# KiCad board TRS80IJP_1.kicad_pcb (continued)
## Routing (per net, layer and track width the routed paths; a pad name or vN(x,y) marks a point on that pad's centre or on a via; arc(x,y) is an arc through that point) (continued)
-5V: length 455.4
  Top w0.25: v1(180.83,142.18) 180.83,149.94 181.84,150.95 181.84,161.23 179.8,163.27 FAN1.2
  Top w1.5: 297.73,117.63 297.73,118.33 296,120.06 ; 297.73,117.63 297.73,119.95 297.62,120.06 ; 297.73,117.63 297.73,118.09 299.7,120.06 300.19,120.06 ; C7.2 72.95,139.92 72.7,140.17 65.95,140.17 65.18,139.4 C6.2 ; Z17.1 243.1,118.27 241.31,120.06 ; Z17.1 243.1,118.23 244.93,120.06 ; Z17.1 243.1,119.63 243.53,120.06 ; 268.36,120.06 269.78,118.64 Z19.1 269.78,118.22 271.62,120.06 ; 281.97,120.06 281.97,119.48 Z20.1 283.82,118.45 285.43,120.06 ; Z22.1 313.02,119.92 312.88,120.06 ; 229.62,120.06 231.67,118.01 Z16.1 231.67,118.44 233.29,120.06 ; 255.98,120.06 254.5,118.58 Z18.1 254.5,118.66 253.1,120.06 ; 214.85,120.06 215.09,120.06 216.59,118.56 Z15.1 216.59,118.19 218.46,120.06
  Top w2: v1(185.94,137.57) 185.94,137.64 185.94,128.66 186.54,128.06 202.23,128.06 202.54,127.75 202.54,120.77 203.32,119.99 208.76,119.99 209.73,120.96 213.95,120.96 214.85,120.06 ; 312.88,120.06 215.09,120.06
  Bottom w1.5: Z22.1 313.02,126.66 C37.2 ; Z18.1 254.5,122.39 254.51,122.4 253.46,123.45 C31.2 ; Z16.1 231.67,121.95 231.62,122 231.65,121.92 C28.2 ; Z20.1 283.78,118.5 282.27,120.75 282.27,126.33 C34.2 ; C6.2 64.17,138.9 R12.2
  Bottom w3: C7.2 CR3.2 75.52,132.76 C8.2 81.56,135.76 107.36,135.89 109.8,135.91 110.2,158.39 111.39,159.58 125.49,159.58 126.6,158.47 126.6,137.54 127.4,136.74 157.97,136.74 163.35,142.12 185.62,142.12 185.94,141.8 v1(185.94,134.9)
/RAM/V0: length 90.8
  Top w0.25: Z10.5 130.21,107.47 128.99,106.25 120.9,106.25 119.67,107.48 118.96,107.48 118.95,107.47 Z9.5 117.31,107.39 v1(106.04,107.39)
  Bottom w0.25: v1(106.04,107.39) 106.91,106.52 106.91,53.03 106.79,52.91 106.79,46.8 Z36.9
/RAM/V1: length 80
  Top w0.25: Z10.6 130.3,104.93 128.98,103.61 123.59,103.61 122.27,104.93 Z9.6 111.03,104.81 110.04,104.82 104.67,104.82 v1(103.33,103.48)
  Bottom w0.25: Z36.4 102.36,57.05 102.38,57.05 102.47,57.14 102.47,89.66 102.82,90.01 102.82,102.97 v1(103.33,103.48)
/RAM/V2: length 80.7
  Top w0.25: v1(105.34,52.93) 105.4,52.87 Z36.12 ; Z10.7 130.27,102.39 129.38,101.5 127.59,101.5 127.21,101.12 121.04,101.12 119.77,102.39 Z9.7 106.73,102.39 v1(105.32,100.98)
  Bottom w0.25: v1(105.32,100.98) 106.2,100.1 106.2,84.01 106.21,84 106.21,53.8 v1(105.34,52.93)
/RAM/V3: length 94
  Top w0.25: v1(104.72,109.98) 104.75,110.01 Z9.4 119.45,110.01 120.72,108.74 128.74,108.74 130.01,110.01 Z10.4
  Bottom w0.25: v1(104.72,109.98) 104.21,109.47 104.21,106.25 105.68,104.78 105.68,103.56 103.76,101.64 103.76,89.48 103.28,89 103.28,54.43 102.85,54 102.85,49.92 Z36.7
/RAM/V4: length 62.7
  Top w0.25: v1(112.38,112.4) 112.53,112.4 112.78,112.15 116.6,112.15 117,112.55 Z9.3 119.81,112.55 121.18,111.18 128.77,111.18 130.14,112.55 Z10.3
  Bottom w0.25: Z29.9 110.31,75 110.31,75.94 109.95,76.3 109.95,95.58 111.25,96.88 111.25,107.27 112.39,108.41 112.39,112.39 v1(112.38,112.4)
/RAM/V5: length 63.5
  Top w0.25: v1(111.44,84.65) 104.91,84.65 103.52,83.26 102.43,83.26 102.36,83.33 Z29.4 ; Z10.2 130.07,115.09 128.8,113.82 121.16,113.82 119.89,115.09 Z9.2
  Bottom w0.25: Z9.2 114.02,115.09 113.48,114.55 113.48,113.04 114.17,112.35 114.17,108.76 112.08,106.67 112.08,95.95 110.7,94.57 110.7,85.39 v1(111.44,84.65)
/RAM/V6: length 39.1
  Top w0.25: Z10.1 129.79,117.63 128.5,116.34 121.88,116.34 120.59,117.63 Z9.1 113.23,117.63 v1(113.22,117.62)
  Bottom w0.25: Z8.9 108.82,101.5 109.28,101.5 110.39,102.61 110.39,107.53 110.93,108.07 110.93,113.68 113.22,115.97 v1(113.22,117.62)
/RAM/V7: length 39.3
  Top w0.25: Z10.17 138.95,116.31 129.94,116.31 128.75,115.1 128.42,115.09 Z9.17 121.04,115.09 119.86,116.27 115.89,116.27 115.72,116.1 111.21,116.1 v1(111.05,116.26)
  Bottom w0.25: Z8.12 110.1,110.4 110.1,115.31 v1(111.05,116.26)
/RAM/V8: length 43.3
  Top w0.25: Z8.4 104.6,115.06 110.04,115.06 110.28,114.82 113.71,114.82 114.1,115.21 115.21,115.21 116.68,113.74 120.06,113.74 121.3,112.56 121.49,112.55 Z9.16 128.76,112.55 130.01,113.8 138.92,113.8 Z10.16
/RAM/V9: length 48.7
  Top w0.25: v1(104.06,112.49) 109.75,112.49 111.33,110.91 115.71,110.91 116.07,111.27 119.59,111.27 120.95,109.91 124.18,109.91 124.28,110.01 Z9.15 128.9,110.01 130.13,111.24 134.95,111.24 136.3,110.02 136.4,110.01 Z10.15
  Bottom w0.25: v1(104.06,112.49) 103.17,111.6 103.17,106.01 Z8.7
GND: length 1780.8
  Top w0.25: Z40.7 162.97,50.15 161.85,50.15 157.09,54.91 157.09,57.36 157.55,57.82 157.55,59.67 156.73,60.49 Z39.15 155.44,60.48 154.46,60.48 151.91,63.03 Z39.1 ; Z27.15 78,88.39 78.31,88.7 v1(83.26,88.7) ; 71.82,71.77 71.69,71.77 Z27.8 69.36,72.06 68.99,72.06 ; v1(318.59,122.76) 320.56,124.73 333.1,124.73 v1(333.89,123.94) ; Z23.19 338.05,120.3 334.07,120.3 v1(333.88,120.49) ; Z49.10 345.94,43.33 346.47,42.8 v1(357.11,42.8) ; 163.06,47.95 163.07,47.94 ; Z66.15 297.59,34.99 v1(297.92,34.66) ; 51.27,103.67 51.22,103.62
  Top w1: Z58.3 Z57.14 Z57.3 ; C20.1 51.99,115.56 51.99,111.41 49.43,110 49.44,104.59 51.27,103.67 ; v1(75.41,57.48) 74.94,57.95 Z34.3 66.55,57.95 C52.1
  Top w1.5: 40.99,45.27 39.91,46.35 Z32.7 39.91,46.2 38.95,45.24 ; C68.1 265.88,17.93 265.89,17.92 ; Z48.29 337.9,36.3 338.03,36.17 ; Z48.29 335.6,35.93 338.39,33.58 ; Z48.29 335.7,36.3 336.44,37.04 337.72,37.04 337.75,37.01 ; v1(382.64,169.01) v1(382.64,170.99) ; Z36.15 113.47,56.98 C53.1 ; 363.54,165.69 365.32,167.47 v1(365.32,168.78) 365.32,167.18 366.7,165.8 ; 40.99,98.63 39.87,99.75 Z4.8 39.87,99.69 38.98,98.8 ; 133.49,42.71 132.72,43.48 Z38.9 132.72,43.77 131.59,42.64 ; 274.88,172.27 274.79,172.27 R25.2 ; 30.88,103.55 30.88,98.82 30.87,98.81 ; 298.6,47.93 300.21,48.69 Z47.7 ; 56.77,100.86 55.15,102.48 Z5.7 55.15,99.76 54.23,98.84 ; 162.25,17.61 163.26,18.62 Z59.8 163.26,18.47 164.06,17.67 ; 275.95,166.99 274.83,165.87 R27.1 274.65,165.86 275.95,164.52 ; 275.95,166.99 275.95,170.66 ; 275.95,166.99 275.95,164.52 ; Z13.15 187.63,115.09 C26.1 ; 275.95,170.66 275.68,170.93 R25.2 ; 275.95,170.66 275.95,173.44 275.94,173.43 R24.2 273.46,170.94 R25.2 ; 84.77,17.56 85.58,18.37 Z54.7 85.58,18.34 86.49,17.43 ; 51.2,100.48 51.2,99.79 52.17,98.82 ; 51.2,100.48 51.2,99.92 50.1,98.82 ; 51.2,100.48 51.22,103.62 ; 51.2,100.48 51.19,98.62 ; 51.2,100.48 51.2,99.67 ; v1(104.78,88.41) 104.79,88.41 Z29.15 108.49,88.42 C45.1 ; 118.6,42.57 117.42,43.75 Z37.9 117.42,43.77 116.24,42.59 ; C14.2 275.92,159.49 275.94,159.47 275.95,159.48 275.95,164.52 ; 146.91,15.02 147.73,15.84 Z58.8 147.73,15.8 148.72,14.81 ; 10.88,17.04 9.25,18.67 Z50.7 9.25,18.64 8.23,17.62 ; 23.79,45.33 24.58,46.12 Z31.7 24.58,46.45 25.75,45.28 ; 55.92,17.34 55.02,18.24 Z52.7 55.02,18.36 54.12,17.46 ; 255.77,19.06 254.44,20.39 254.44,22.32 254.44,20.59 253.23,19.38 ; C1.2 5.24,127.82 5.15,127.91 ; Z36.8 100.72,44.15 100.73,44.14 ; 65.44,101.3 66.53,102.39 C22.1 66.53,102.36 67.73,101.16 ; 284.15,17.47 285.1,18.42 Z66.8 285.1,18.15 286.04,17.21 ; 54,45.12 55.12,46.24 Z33.7 55.12,46.41 56.42,45.11 ; Z29.8 100.86,71.63 ; 346.98,11.89 345.99,12.88 Z68.10 345.99,13.17 344.8,11.98 ; 300.22,19.59 300.28,21.76 ; Z26.7 55.05,73.19 55.08,73.16 ; 203.7,8.37 C67.1 203.79,8.39 v1(208.19,8.39) ; Z39.8 147.83,43.85 ; Z40.7 163.06,47.95 ; 174.53,160.5 176.84,158.19 FAN1.4 ; v1(269.88,138.01) 269.71,138.01 Z2.7 261.3,138.01 261.28,138.02 261.26,138.02 258.01,134.77 C13.1 ; 299.19,19.54 300.28,20.63 Z67.7 300.28,20.41 301.15,19.54 ; Z56.8 117.38,15.24 ; 175.04,154.27 175.04,155.01 FAN1.4 ; 270.78,47.86 269.8,48.84 Z45.7 ; 25.62,17.39 24.53,18.48 Z51.7 24.53,18.6 23.64,17.71 ; 177.22,97.23 177.07,97.38 Z13.8 177.07,98.4 177.93,97.55 ; Z45.7 269.8,48.98 269.04,48.22 ; Z45.7 269.8,48.72 ; CN3.19 356.86,4.16 ; 284.11,47.73 284.95,48.57 Z46.7 284.95,48.66 285.73,47.88 ; Z7.10 C23.1 ; 133.63,14.81 132.71,15.73 Z57.8 132.71,16.01 131.17,14.47 129.73,14.47 v1(129.72,14.48) ; 6.83,44.92 8,46.09 R53.2 8,46.32 9.02,45.3 ; v1(221.83,122.82) 222.61,122.85 v1(236.88,122.87) 247.57,122.82 v1(248.49,122.81) 258.92,122.8 v1(259.8,122.78) 261.07,122.77 v1(275.47,122.69) v1(288.89,122.73) v1(303.29,122.72) 316.56,122.74 v1(318.59,122.76) ; FAN1.4 176.75,158.19 176.08,157.52 ; 69.48,17.35 70.36,18.23 Z53.7 70.36,18.3 71.43,17.23 ; 99.93,17.72 100.68,18.47 Z55.7 100.68,18.42 101.86,17.24 ; v1(360.53,28.96) v1(357.03,28.96) ; C15.1 v1(276.13,134.33)
  Top w2: v1(178.26,49.07) 178.5,49.04 C54.1 193.65,49.04 193.66,49.05 193.65,49.06 Z42.12 ; 14.83,175.56 15.52,174.87 J3.2 ; v1(318.66,94.9) 216.75,94.91 ; 330.63,96.86 330.49,97 Z23.10 ; Z23.10 330.49,98.75 332.62,96.62 340.48,96.62 343.2,99.34 344.31,99.34 346.12,101.15 v1(346.23,101.07) ; Z23.10 330.49,98.76 321.76,90.03 320.61,90.03
  Bottom w0.25: Z9.8 119.63,102.09 119.63,118.04 118.51,119.16 111.24,119.16 Z8.15 ; Z27.8 68.87,74.59 68.87,79.19 Z27.5 ; 254.64,50.33 v1(254.62,47.54) ; 213.83,47.85 v1(213.84,47.62) ; 93.33,52.86 Z35.10 ; v1(333.89,123.94) 333.89,120.5 v1(333.88,120.49) ; v1(83.26,88.7) 83.67,88.29 83.67,85.84 83.7,85.81 83.7,82.61 83.99,82.32 83.99,74.31 85.15,73.15 v1(85.15,70.59) ; v1(297.92,34.66) 298.62,33.96 298.77,23.68 Z67.7 ; 75.6,107.19 75.6,107.04 ; 223.88,19.56 v1(223.91,19.53)
  Bottom w1: Z6.10 75.6,107.73 75.6,107.19 ; 75.41,52.76 75.52,52.87 Z34.10 ; 75.41,52.76 v1(75.41,57.48) ; 75.41,52.76 75.41,45.59 v1(75.82,45.18) ; Z60.7 v1(178.25,18.21) ; Z34.3 Z34.2 ; 93.33,52.86 90.91,51.51 90.78,46.62 v1(91.06,45.32) ; Z58.3 Z58.2 Z58.1 ; Z43.12 213.83,47.85 ; 75.6,107.04 v1(75.65,101.17)
  Bottom w1.25: Z14.15 197.22,115.09 192.62,119.69 189.65,119.69 C26.1 188.5,110.88 188.84,106.65 188.84,101.36 190.35,99.85 Z14.8 v1(191.08,92.14)
  Bottom w1.5: C56.1 266.09,56.86 267.62,55.33 267.62,51.68 268.91,50.32 Z45.7 ; 129.91,21.11 131.15,22.35 Z57.6 131.23,22.35 130.27,23.31 ; E1.37 376.94,175.88 376.1,175.04 376.1,169.51 v1(376.87,168.74) 376.87,172.51 ; E1.37 376.94,175.6 382.64,169.9 v1(382.64,169.01) 382.66,168.99 v1(384.8,168.99) ; E1.37 376.87,178.78 376.87,172.51 ; 221.62,116.35 221.62,95.16 v1(221.61,94.87) C27.1 ; 221.62,116.35 222.9,117.63 Z15.16 222.88,117.63 221.62,118.89 ; 221.62,116.35 221.62,118.89 ; 75.59,28.8 v1(75.59,17.08) ; 75.59,28.8 76.76,29.97 ; 75.59,28.8 75.6,31.13 ; v1(90.99,100.88) 91,107.44 Z7.10 ; C71.1 310.03,30.69 309.97,29.09 309.94,20.9 v1(309.2,18.95) ; Z16.16 237.61,117.63 ; Z41.7 176.14,60.76 176.14,60.36 176.11,53.83 v1(178.26,49.07) ; C15.1 271.06,134.29 270.29,134.29 269.88,134.7 v1(269.88,138.01) 269.88,154.86 272.22,157.2 272.17,157.25 C14.2 ; Z63.7 239.3,19.1 v1(239.32,19.08) ; 249.04,117.63 247.6,119.07 ; 249.04,117.63 247.6,116.19 247.6,115.76 ; 249.04,117.63 Z17.16 248.3,117.63 247.6,116.93 ; 247.6,119.07 247.6,116.93 ; 247.6,119.07 247.6,122.06 247.61,122.06 v1(248.49,122.81) ; Z3.4 30.88,103.55 ; 129.95,73.45 131.33,72.07 C46.1 130.91,72.07 130.33,71.49 ; 129.95,73.45 129.95,87.43 128.91,88.47 C24.1 ; 129.95,73.45 129.95,71.87 130.33,71.49 ; C69.1 284.95,43.05 Z46.7 ; Z28.10 90.9,79.19 90.88,78.38 90.88,71.12 v1(91.21,70.79) ; v1(303.29,122.72) 303.26,118.35 ; 303.26,118.35 303.98,117.63 305.35,117.63 303.83,117.63 303.26,117.06 ; 303.26,118.35 303.26,117.06 ; v1(45.11,98.61) 45.11,91.48 41.11,87.48 C41.1 41.11,72.01 v1(42.55,70.57) ; C34.1 v1(288.89,122.73) 288.87,121.75 289.34,120.99 289.34,118.23 ; Z61.8 208.79,8.99 v1(208.19,8.39) ; 256.3,129.85 256.64,129.85 C31.1 ; v1(382.64,170.99) 384.88,170.99 v1(384.9,170.97) 384.8,170.87 v1(384.8,168.99) ; v1(382.64,170.99) 383.79,171.65 378.71,173.73 378.09,173.73 376.87,172.51 ; v1(382.64,170.99) 384.64,168.99 v1(384.8,168.99) ; 76.76,29.97 75.6,31.13 ; 76.76,29.97 Z53.12 ; 257.81,129.93 258,130.46 C31.1 ; v1(133.73,94.7) 133.73,96.13 Z10.9 Z10.8 ; v1(104.82,70.83) 104.78,70.87 v1(104.78,88.41) ; 265.04,17.96 265.04,18.89 C68.1 ; v1(81.73,70.7) 81.72,70.71 81.72,75.43 C44.1 ; C59.1 13.06,25.48 14.53,24.01 v1(14.53,17.24) ; Z9.9 117.39,90.54 115.26,88.41 115.25,88.42 C45.1 ; v1(147.67,94.82) 147.69,94.84 Z11.8 145.64,101.05 145.62,113.49 C25.1 ; JP4.4 60.33,8.15 61.54,9.36 v1(61.54,17.26) ; 275.47,118.52 275.46,117.09 275.64,116.94 Z19.16 275.57,118.73 275.47,118.52 ; 275.47,118.52 275.49,121.48 v1(275.47,122.69) 275.47,130.42 278.54,133.49 ; C38.1 320.53,93.03 v1(318.66,94.9) 318.66,100.42 318.59,100.49 318.59,117.11 ; v1(346.23,101.07) 345.96,101.58 Z24.8 ; Z62.7 223.88,19.56 ; 318.59,123.66 318.59,127.23 C37.1 ; C28.1 235.48,127.83 236.84,126.47 v1(236.88,122.87) 236.84,113.34 236.14,112.64 236.14,96.35 v1(237.59,94.93) 237.59,90.42 C29.1 ; 130.33,71.49 130.33,45.92 130.34,45.44 Z38.9 ; v1(279.91,19.21) 279.93,26.21 278.91,27.23 Z65.10 ; 318.59,117.11 319.11,117.63 Z22.16 319.23,117.63 318.59,118.27 ; 318.59,117.11 318.59,118.27 ; v1(239.01,47.82) 238.06,48.64 C55.1 ; 318.59,118.27 v1(318.59,122.76) ; 149.69,17.56 149.4,17.27 Z58.8 ; 275.47,117.07 275.31,97.86 v1(275.82,94.82) 275.84,94.53 C33.1 ; v1(37.53,17.13) 38.34,16.32 38.34,10.73 C63.1 ; 259.78,118.84 260.52,118.44 Z18.16 260.87,117.63 259.78,116.54 ; 259.78,118.84 259.78,116.54 ; 259.78,118.84 v1(259.8,122.78) 259.45,124.24 C31.1 ; 289.34,118.23 289.94,117.63 Z20.16 290.04,117.63 289.34,116.93 ; 289.34,118.23 289.34,116.93 ; C72.1 360.53,28.95 v1(360.53,28.96) ; Z8.8 100.83,98.34 v1(100.85,98.32) ; 303.26,117.06 v1(303.24,94.88) 303.24,91.07 C36.1 ; v1(366.97,73.65) 366.98,73.66 C47.1 ; v1(365.32,168.78) 365.49,168.95 E1.29 ; C53.1 113.53,51.04 111.65,49.16 v1(111.65,42.86) ; 75.6,31.13 75.63,40.91 JP5.4 ; C30.1 249.58,94.79 v1(249.45,94.92) 247.6,96.67 247.6,115.76 ; 149.87,22.34 149.86,22.35 Z58.6 ; 247.6,115.76 247.6,116.93 ; C70.2 Z47.7 ; 259.78,116.54 259.78,95.67 v1(259.77,94.91) 259.79,91.09 C32.1 ; 289.34,116.93 v1(289.33,94.88) 290.16,94.05 C35.1 ; v1(97.73,17.3) 96.93,17.3 C64.1 ; 221.62,118.89 221.62,122.68 v1(221.83,122.82) ; Z56.8 C65.1 ; Z1.7 249.22,137.99 250.76,139.53 250.58,139.71 C12.2
  Bottom w2: C58.1 366.95,46.53 v1(369.79,43.69) ; 356.88,4.19 356.88,11.02 v1(357.76,11.89)
  vias: v1(208.79,16.98) v1(357.09,44.67) v1(357.66,75.38) v1(357.68,73.13) v1(357.7,71.08) v1(357.79,13.63) v1(360.2,11.91) v1(360.29,13.64) v1(362.84,13.64) v1(362.84,11.91)
!HALT: length 49.8
  Top w0.25: v1(311.18,53.13) 310.37,53.94 309.75,53.94 309.7,53.99 302.87,53.99 301.46,55.41 Z47.5
  Bottom w0.25: Z48.18 318.28,21.79 316.82,22.69 316.81,25.9 314.21,27.8 314.21,30.14 314.75,30.68 314.75,33.22 315.48,33.95 315.66,34.14 315.67,35.84 313.38,38.13 313.38,38.54 310.31,41.61 310.31,52.26 v1(311.18,53.13)
!IORQ: length 67.2
  Top w0.25: Z67.5 300,27.09 298.97,27.09 297.01,29.05 294.85,29.05 294.37,28.57 289.93,28.57 289.61,28.89 286.92,28.89 286.61,28.58 282.03,28.58 279.3,25.85 277.85,25.85 277.84,25.84 267.86,25.84 267.46,26.24 265.12,26.24 263.74,24.86 Z64.9 ; v1(312.87,24.57) 312.61,24.83 Z67.9 303.71,24.83 v1(303,25.2)
  Bottom w0.25: Z48.20 314.83,19.24 314.8,23.53 v1(312.87,24.57) ; v1(303,25.2) 303,25.32 300.95,27.37 Z67.5
!M1: length 95.4
  Top w0.25: Z48.27 336.34,29.39 336.34,22.89 335.63,22.19 325.62,22.19 323.08,19.65 313.67,19.65 313.59,19.57 313.53,19.57 v1(311.82,21.28) ; v1(311.68,28.48) 311.67,28.5 299.21,28.5 299.12,28.41 296.5,31.04 266.08,31.04 266.06,31.02 265.69,31.02 Z64.10
  Bottom w0.25: v1(311.68,28.48) 311.68,26.62 311.5,26.44 311.5,21.6 v1(311.82,21.28)
!MREQ: length 49.7
  Top w0.25: Z66.2 286.55,36.44 290.72,36.44 291.04,36.12 293.57,36.12 293.95,35.74 299.53,35.74 Z67.2 Z67.13 313.51,34.99 v1(313.65,35.13)
  Bottom w0.25: Z48.19 318.56,19.36 315.8,21.14 315.83,25.63 313.41,27.4 313.42,30.52 313.92,31.02 313.92,34.86 v1(313.65,35.13)
!NMI: length 73.4
  Top w0.25: v1(281.96,23.73) 282.29,23.4 282.37,23.4 282.38,23.42 310.96,23.42 311.35,23.02 315.19,23.02 315.77,23.6 Z48.17
  Bottom w0.25: v1(281.96,23.73) 281.97,23.74 281.97,26.83 280.57,28.23 280.57,42.66 275.67,47.56 275.67,54.64 276.41,55.38 Z45.10
!RD: length 118.2
  Top w0.25: v1(265.42,45.52) 265.82,45.92 272.46,45.92 272.67,46.13 276.52,46.13 276.64,46.01 298.75,46.01 299.41,46.67 302.86,46.67 304.47,45.06 v1(306.56,45.06) ; Z67.10 308.22,27.37 308.82,26.77 316.34,26.77 316.84,27.27 327.74,27.27 327.93,27.07 327.93,27.11 v1(328.3,27.48)
  Bottom w0.25: v1(265.42,45.52) 265.14,45.8 265.14,53.39 263.12,55.41 262.26,55.41 ; v1(328.3,27.48) 328.26,20.82 Z48.21 ; Z67.10 306.45,28.82 306.45,31 Z67.12 306.56,33.79 v1(306.56,45.06) 306.56,45.4 307.25,46.09 307.25,48.52 306.48,49.29 306.48,51.49 307.86,52.87
!RESET: length 72
  Top w0.25: Z48.26 332.88,30.31 332.88,37.8 325.63,45.05 316.75,45.05 v1(316.3,45.49) ; Z46.12 293.77,61.68 314.86,61.68 v1(315.45,62.27)
  Bottom w0.25: v1(316.3,45.49) 315.36,46.43 315.36,53.76 316.24,54.64 316.24,56.45 314.34,58.35 314.34,61.16 v1(315.45,62.27)
!SHIFT: length 166.6
  Top w0.25: Z57.7 135.71,19.81 136.92,18.6 142.24,18.6 143.45,19.81 Z58.7 ; v1(24.19,7.97) 24.19,7.82 24.79,7.22 32.52,7.22 33.75,5.99 37.63,5.99 38.64,4.98 70.29,4.98 73.69,8.38 80.94,8.38 81.58,7.74 87.19,7.74 87.54,8.09 96.99,8.09 98.38,6.7 105.59,6.7 108.1,9.21 118.17,9.21 118.46,8.92 127.84,8.92 129.08,10.16 v1(129.97,10.16) ; v1(20.47,29.88) 20.38,29.97 Z50.12
  Bottom w0.25: v1(20.47,29.88) 20.78,29.88 22.84,27.82 22.84,15.7 24.19,14.35 v1(24.19,7.97) ; Z57.7 133.94,18.58 133.95,18.58 134.35,18.18 134.35,14.54 v1(129.97,10.16)
!WR: length 108.6
  Top w0.25: Z67.1 303.85,37.53 305.25,36.13 310.46,36.13 310.76,35.83 312.45,35.83 312.91,36.29 314.32,36.29 315.73,34.88 315.74,34.89 325.94,34.89 329.53,31.3 v1(329.53,29.67) ; v1(295.82,43.78) 294.41,45.19 276.56,45.19 276.19,45.56 272.96,45.56 272.64,45.24 267.84,45.24 266.36,43.76 264.62,43.76 v1(262.88,45.5)
  Bottom w0.25: 262.26,52.87 264.2,50.93 264.2,46.82 v1(262.88,45.5) ; v1(329.53,29.67) 329.59,29.67 330.86,28.4 330.86,21.66 333.81,19.33 Z48.22 ; v1(295.82,43.78) 298.39,40.93 Z67.1 301.18,37.53 302.18,36.53 302.18,31.81 Z67.4
/CPU/A0: length 633.7
  Top w0.25: Z68.9 350.9,17.07 352.38,15.59 352.44,15.66 391.59,15.66 v1(391.65,15.59) ; v1(226.02,60.38) 226.01,60.37 Z43.8 211.62,60.37 211.61,60.38 210.46,59.23 202.67,59.23 v1(202.47,59.43) 202.21,59.17 195.19,59.17 193.99,60.37 Z42.8 189.69,60.37 188.79,61.27 184.83,61.27 180.73,65.38 Z41.6 177.48,65.38 177.38,65.47 176.41,65.47 169.32,72.56 168.62,72.56 156.65,84.53 124.76,84.53 123.78,83.55 118.2,83.55 117.7,83.05 114.25,83.05 v1(114.07,83.23)
  Bottom w0.25: v1(114.07,83.23) 112.71,81.87 112.71,65.73 110.95,63.97 110.95,63.84 110.96,63.83 110.96,56.68 110.16,55.88 110.16,52.15 Z36.11 ; v1(226.02,60.38) 226.56,59.84 226.53,47.84 232.49,43.27 235.78,40.91 237.03,39.66 237.03,13.12 242.31,8.56 293.25,8.6 300.55,16.87 312.78,16.99 318.79,13.49 342.86,13.48 344.34,14.96 344.34,16.27 345.14,17.07 Z68.9 ; 392.35,4.68 392.33,4.7 392.33,14.89 391.65,15.57 v1(391.65,15.59) 391.73,15.59 392.26,16.12 392.42,31.6 382.58,39.01 382.59,39.23 382.58,39.24 382.58,58.76 378.88,62.46 378.83,78.89 380.32,83.18 380.32,90.6 380.3,90.62 380.3,101.84 380.31,101.85 380.34,102.73 377.38,105.19 377.38,109.86 379.29,111.77 379.27,126.64 374.47,130.7 374.43,130.87 374.41,131 374.41,131.92 372.5,133.83 372.46,133.83 372.46,138.86 371.21,139.7 370.44,140.14 368.79,141.22 368.98,159.79 365.32,162.67 364.21,163.49 360.19,166.83 360.19,170.71 359.95,170.95 359.95,172.61 360.68,173.34 360.68,178.57 E1.25 ; v1(202.47,59.43) 202.5,59.46 202.5,61.86 201.03,63.33 201.03,74.41 201.71,75.09 201.71,80.73 195.26,87.18 195.26,112.15 192.32,115.09 Z14.2
  Bottom w1.5: 391.88,4.19 391.86,4.17 CN3.5
/CPU/A1: length 644.8
  Top w0.25: v1(218.94,63.15) 218.7,62.91 Z43.7 211.49,62.91 210.24,61.66 v1(199.93,61.66) 198.68,62.91 Z42.7 189.8,62.91 189.76,62.87 188.45,64.18 183.38,64.18 179.65,67.92 Z41.5 176.95,67.92 176.87,67.99 ; v1(393.43,39.87) 392.87,39.31 v1(384.09,39.31) ; 176.87,67.99 177.02,67.99 ; 176.87,67.99 175.42,67.99 170.09,73.32 168.91,73.32 156.87,85.36 124.23,85.36 123.41,84.54 v1(116.12,84.54) ; Z68.12 354.37,17.83 355.34,17.83 355.36,17.81 394.33,17.81 v1(394.71,17.43) ; v1(112.34,62.96) 111,61.62 106.06,61.62 104.93,60.49 Z36.2
  Bottom w0.25: v1(393.43,39.87) 394.09,39.21 394.09,18.02 394.68,17.43 v1(394.71,17.43) 394.89,17.25 394.89,4.68 ; Z14.5 193.33,105.22 193.33,86.28 198.37,81.24 198.37,76.73 199.89,75.21 199.89,61.7 v1(199.93,61.66) ; v1(112.34,62.96) 113.49,64.11 113.49,80.38 116.13,83.02 116.13,84.53 v1(116.12,84.54) ; Z68.12 351.9,15.36 351.89,15.36 351.89,12 348.32,8.43 334.18,8.43 327.28,1.53 297.47,1.53 295.36,3.64 229.16,3.06 225.06,7.33 224.95,7.44 222.27,7.44 220.56,9.15 220.56,12.43 221.44,13.31 221.44,26.07 222.23,26.86 222.23,28.95 221.9,29.28 221.9,39.79 218.92,42.77 218.92,63.13 v1(218.94,63.15) ; v1(384.09,39.31) 384.48,39.7 384.48,58.24 379.71,63.01 379.81,78.72 381.2,82.7 381.3,103.15 378.24,105.74 378.24,109.45 380.16,111.37 380.16,126.81 375.78,130.72 375.32,131.16 375.32,133.77 376.27,134.72 376.22,138.84 373.72,140.28 372.93,140.72 372.77,140.79 371.02,141.84 370.63,142.11 370.62,142.12 370.73,160.79 364.57,165.73 363.84,166.25 362.96,166.8 361.93,167.83 361.93,169.87 363.33,171.27 363.33,178.46 E1.27
  Bottom w1.5: CN3.4 394.36,4.17 394.38,4.19
/CPU/A2: length 620.8
  Top w0.25: v1(399.41,30.85) 399.36,30.9 390.15,30.9 v1(389.52,31.53) ; E1.40 378.44,178.63 378.44,170.44 378.46,170.42 378.52,170.42 v1(378.92,170.02) ; v1(226.65,65.64) 226.64,65.65 214.03,65.65 Z43.6 213.6,65.68 211.86,65.68 210.46,64.28 v1(202.61,64.28) 201.44,65.45 Z42.6 192.44,66.66 182.56,66.66 178.77,70.46 Z41.4 178.15,70.38 174.28,70.38 170.52,74.14 169.4,74.14 157.33,86.21 124,86.21 123.27,85.48 117.58,85.48 116.97,86.09 114.31,86.09 v1(113.74,85.52) ; Z68.7 350.94,22.15 352.31,20.78 355.02,20.78 356.11,19.69 388.2,19.69 v1(389.15,20.64)
  Bottom w0.25: Z36.14 110.14,59.75 110.14,64.59 111.83,66.28 111.83,82.71 113.74,84.62 v1(113.74,85.52) ; v1(202.61,64.28) 202.3,64.59 202.3,74.08 202.76,74.54 202.76,81.29 196.13,87.92 196.13,102.9 198.16,104.93 Z14.11 ; v1(389.52,31.53) 389.52,21.01 v1(389.15,20.64) 389.81,19.98 389.81,4.68 ; Z68.7 343.32,19.48 343.32,16.04 341.6,14.32 319.32,14.27 313.84,17.4 312.96,17.87 300.14,17.84 292.81,9.25 242.72,9.24 237.86,13.49 237.77,39.36 237.75,40.28 227.6,48.14 227.6,59.83 227.66,59.89 227.66,64.63 v1(226.65,65.64) ; v1(378.92,170.02) 379.04,169.9 379.04,146.77 379.07,146.74 379.3,146.59 381.29,145.39 382.55,144.66 385.35,143.03 386.34,142.43 387.38,141.67 387.29,80.09 385.81,76.92 385.55,65.51 396.74,53.94 396.78,42.92 400.42,39.28 400.42,31.86 v1(399.41,30.85)
  Bottom w1.5: CN3.6 389.36,4.17 389.38,4.19
/CPU/A3: length 650.1
  Top w0.25: v1(204.96,110.08) 203.86,111.18 200.04,111.18 198.7,112.52 Z14.14 ; Z41.3 177.43,73 177.4,72.97 176.59,72.97 176.56,73 172.8,76.52 171.77,76.54 170.56,76.54 158.58,88.52 124.44,88.52 123.33,89.63 119.79,89.63 v1(118.48,88.32) ; v1(180.94,70.46) 182.15,69.25 187.26,69.25 188.52,67.99 Z42.5 194.97,66.67 198.68,66.67 199.64,67.63 204.72,67.63 205.45,66.9 v1(205.89,66.9) 206.01,66.78 210.23,66.78 211.44,67.99 Z43.5 214.94,69.1 218.74,69.1 v1(219.69,68.15) ; v1(381.88,36.61) 382.53,35.96 v1(389.21,35.96) ; v1(111.66,52.83) 110.49,54 106.92,54 106.9,53.97 106.59,54.28 103.42,54.28 102.01,52.87 Z36.5 ; v1(369.16,171.99) 370.53,173.36 370.53,173.45 370.57,173.49 E1.34 ; Z68.14 381.38,22.15 v1(381.52,22.01)
  Bottom w0.25: v1(205.89,66.9) 205.89,69.04 206.87,70.02 206.87,85.74 204,88.61 204,97.36 204.5,97.86 204.5,109.62 v1(204.96,110.08) ; v1(118.48,88.32) 118.48,83.81 114.26,79.59 114.26,62.36 115.09,61.53 115.09,59.48 111.66,56.05 v1(111.66,52.83) ; 382.19,4.68 382.22,4.71 382.22,12.78 383.03,13.59 383.03,20.5 v1(381.52,22.01) 381.91,22.4 381.91,36.58 v1(381.88,36.61) ; v1(369.16,171.99) 369.26,171.99 369.93,171.32 369.93,167.41 374.33,163.04 374.22,144.32 378.08,141.97 379.39,141.22 382.13,139.48 382.2,110.69 380.21,108.7 380.19,106.47 383.04,104.13 383.08,81.49 381.85,78.58 381.75,63.91 389.67,55.9 389.67,36.42 v1(389.21,35.96) ; Z41.3 180.75,70.46 v1(180.94,70.46) ; Z68.14 352.62,22.15 351.11,20.64 351.11,12.35 348.01,9.25 315.98,9.3 309.81,2.87 309.39,2.84 308.71,2.16 298.34,2.16 296.95,3.55 295.7,4.38 295.55,4.38 231.14,4.29 226.44,8.64 226.44,33.87 226.03,34.28 226.03,36.48 226.16,43.25 220.61,47.85 220.61,67.23 v1(219.69,68.15)
  Bottom w1.5: CN3.9 381.86,4.16 381.88,4.19
/CPU/A4: length 650.5
  Top w0.25: Z68.5 350.81,27.23 352.23,25.82 398.9,25.82 399.16,25.8 399.44,25.8 v1(399.63,25.85) ; v1(398.5,37.79) 398.02,37.31 v1(386.65,37.31) ; v1(225.32,70.53) Z43.4 211.66,70.53 210.38,69.25 207.96,69.25 207.64,69.57 194.61,69.57 Z42.4 192.15,70.53 190.72,69.1 188.92,69.1 187.56,70.46 Z41.11 183.79,70.46 181.99,72.25 180.38,72.25 179.77,71.64 176.08,71.64 175.75,71.31 174.65,71.31 170.88,75.08 169.56,75.08 157.66,86.98 v1(121.3,86.98) ; 108.48,78.25 109.99,78.25 110.11,78.13 114.97,78.13 v1(116.14,76.96)
  Bottom w0.25: E1.31 368.03,173.35 367.76,173.08 367.76,171.12 369.04,169.84 369.08,166.99 373.37,162.83 373.38,143.6 374.72,142.82 377.8,141.04 379.28,140.23 381.15,139.07 381.06,110.87 379.33,109.14 379.33,105.94 379.77,105.55 382.14,103.69 382.15,82.06 380.84,78.7 380.67,63.64 387.07,57.07 387.07,37.73 v1(386.65,37.31) ; v1(225.32,70.53) 224.09,69.3 223.65,49.3 228.23,45.5 229.28,44.64 229.28,35.11 229.48,34.91 229.61,9.71 232.36,7.14 247.33,7.17 293.79,7.43 298.45,13.06 298.85,13.51 301.07,16.07 312.61,16.21 312.95,16.16 313.51,15.77 314.33,15.28 315.76,14.35 316.35,14 317.79,13.11 318.3,12.81 318.83,12.56 346.6,12.56 347.97,13.93 347.97,26.21 346.93,27.25 346.01,27.25 Z68.5 ; Z42.4 191.91,72.27 191.91,80.18 189.43,82.66 189.42,82.65 187.13,82.65 185.24,84.54 183.02,84.54 181.01,86.55 181.01,112.67 178.59,115.09 Z13.2 ; v1(121.3,86.98) 121.3,85.2 117.06,80.96 117.06,77.65 116.37,76.96 v1(116.14,76.96) ; v1(398.5,37.79) 399.22,37.07 399.22,33.49 398.08,32.35 398.08,30.1 399.63,28.55 v1(399.63,25.85) 399.95,25.35 399.97,4.68